# KiCad board sizif128.kicad_pcb (continued)
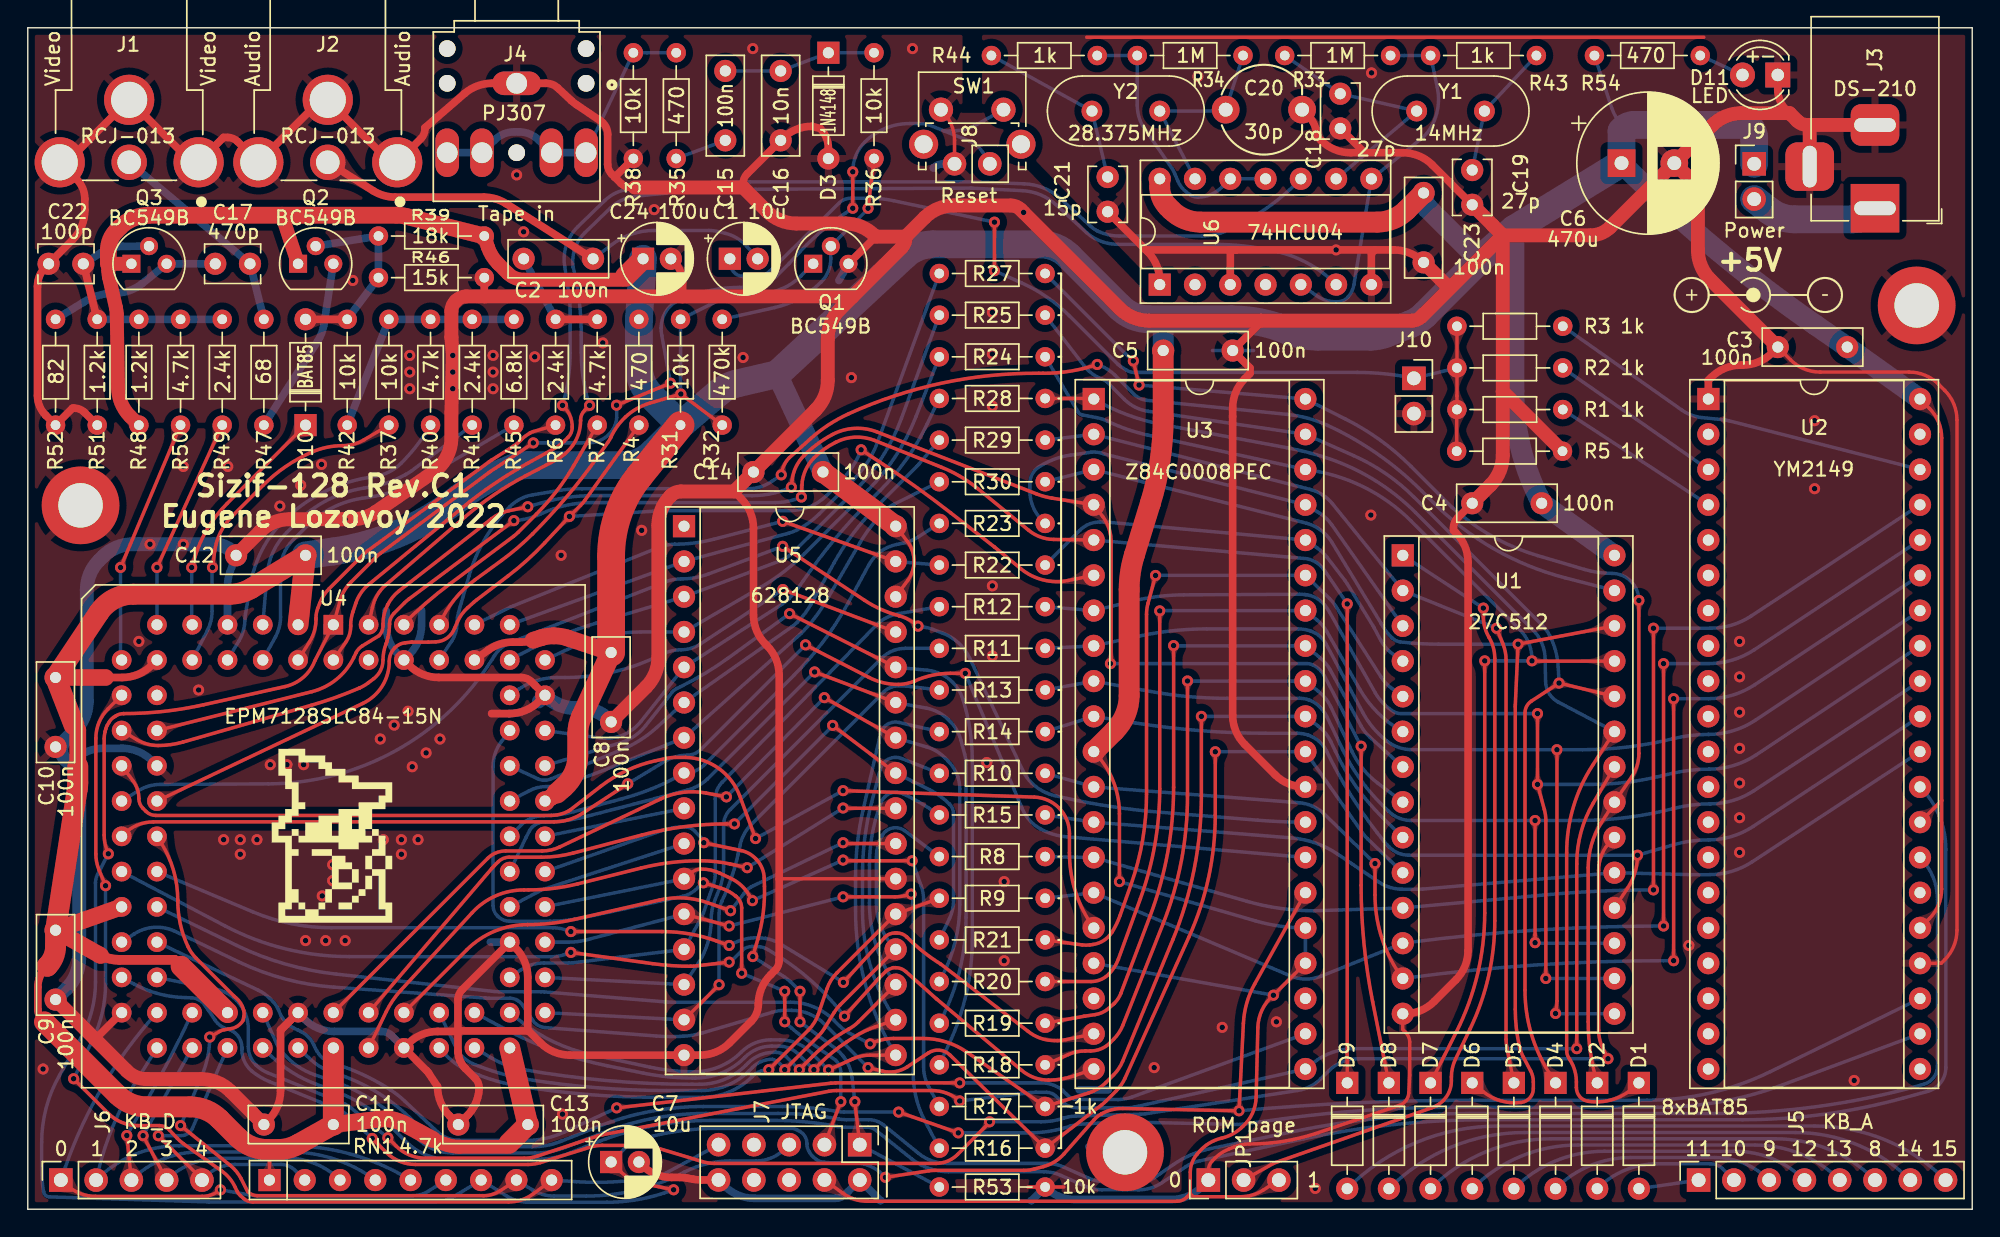
[diagram p0: board, top side]
## Copper pours and planes (outline as drawn; the poured copper is in the pictures) (continued)
Net-(R3-Pad1) on Bottom: 133.89,53.75 134.18,53.67 134.41,53.59 134.61,53.51 134.78,53.43 134.93,53.34 135.07,53.23 135.21,53.12 135.36,52.99 135.53,52.84 135.72,52.67 136.63,53.18 136.08,54.06 135.83,54.01 135.61,53.96 135.41,53.92 135.23,53.88 135.06,53.86 134.88,53.85 134.69,53.86 134.48,53.88 134.24,53.93 133.96,53.99
Net-(R3-Pad1) on Bottom: 111.73,62.9 111.6,63 111.5,63.1 111.43,63.19 111.38,63.28 111.34,63.38 111.31,63.47 111.28,63.58 111.25,63.69 111.2,63.81 111.13,63.94 110.23,63.8 110.41,62.91 110.55,62.89 110.68,62.89 110.8,62.89 110.9,62.9 111.01,62.9 111.11,62.9 111.21,62.88 111.32,62.84 111.45,62.78 111.58,62.7
Net-(R3-Pad1) on Bottom: 112.3,62.5 112.09,62.65 111.93,62.79 111.79,62.91 111.68,63.03 111.58,63.15 111.5,63.28 111.42,63.42 111.33,63.57 111.24,63.74 111.13,63.94 110.23,63.8 110.41,62.91 110.63,62.87 110.82,62.85 111,62.82 111.15,62.79 111.3,62.75 111.44,62.7 111.6,62.64 111.76,62.55 111.95,62.44 112.16,62.29
Net-(R33-Pad2) on Bottom: 101.41,81.77 101.38,81.93 101.38,82.06 101.39,82.18 101.41,82.28 101.45,82.38 101.49,82.47 101.54,82.57 101.59,82.67 101.64,82.79 101.68,82.93 100.93,83.44 100.45,82.67 100.54,82.56 100.63,82.47 100.72,82.39 100.8,82.32 100.88,82.26 100.95,82.18 101.02,82.1 101.07,82 101.12,81.87 101.16,81.71
Net-(R33-Pad2) on Bottom: 100.22,83.22 99.96,83.23 99.75,83.24 99.56,83.27 99.4,83.3 99.25,83.34 99.11,83.4 98.96,83.46 98.81,83.54 98.63,83.63 98.43,83.73 97.77,83.1 98.43,82.47 98.63,82.57 98.81,82.66 98.96,82.74 99.11,82.8 99.25,82.86 99.4,82.9 99.56,82.93 99.75,82.96 99.96,82.97 100.22,82.97
Net-(R33-Pad2) on Bottom: 98.52,75.82 98.29,75.64 98.09,75.5 97.91,75.39 97.74,75.3 97.57,75.24 97.41,75.19 97.23,75.14 97.04,75.1 96.81,75.06 96.56,75 96.43,73.97 97.46,73.88 97.57,74.11 97.66,74.32 97.75,74.5 97.83,74.67 97.91,74.82 98.01,74.96 98.13,75.11 98.27,75.27 98.46,75.43 98.68,75.62
Net-(R33-Pad2) on Bottom: 101.55,81.08 101.5,81.33 101.47,81.55 101.46,81.73 101.46,81.9 101.47,82.05 101.49,82.2 101.53,82.35 101.57,82.52 101.62,82.71 101.68,82.93 100.93,83.44 100.45,82.67 100.59,82.49 100.71,82.34 100.82,82.2 100.91,82.08 100.99,81.95 101.07,81.81 101.13,81.66 101.19,81.49 101.25,81.28 101.31,81.03
Net-(R33-Pad2) on Bottom: 98.9,82.97 99.16,82.97 99.37,82.96 99.56,82.93 99.72,82.9 99.87,82.86 100.01,82.8 100.16,82.74 100.31,82.66 100.49,82.57 100.69,82.47 101.35,83.1 100.69,83.73 100.49,83.63 100.31,83.54 100.16,83.46 100.01,83.4 99.87,83.34 99.72,83.3 99.56,83.27 99.37,83.24 99.16,83.23 98.9,83.22
Net-(R33-Pad2) on Bottom: 94.28,65.49 93.94,65.49 93.66,65.54 93.42,65.62 93.23,65.73 93.06,65.87 92.91,66.04 92.77,66.24 92.64,66.47 92.36,66.99 91.33,66.83 91.69,65.8 92.01,65.79 92.28,65.75 92.51,65.69 92.72,65.61 92.93,65.52 93.13,65.43 93.36,65.35 93.62,65.28 93.92,65.24 94.28,65.24
Net-(R33-Pad2) on Bottom: 93.53,65.58 93.29,65.67 93.11,65.76 92.96,65.87 92.85,65.99 92.76,66.12 92.69,66.26 92.62,66.42 92.55,66.6 92.46,66.78 92.36,66.99 91.33,66.83 91.53,65.81 91.77,65.77 91.97,65.73 92.15,65.7 92.31,65.67 92.46,65.63 92.61,65.59 92.78,65.54 92.97,65.49 93.19,65.42 93.45,65.35
Net-(R33-Pad2) on Bottom: 96.47,71.84 96.53,72.13 96.58,72.37 96.65,72.57 96.72,72.75 96.8,72.91 96.89,73.06 96.99,73.21 97.11,73.37 97.24,73.55 97.39,73.76 96.81,74.61 95.97,73.99 96.05,73.74 96.12,73.53 96.18,73.34 96.23,73.16 96.26,72.99 96.29,72.82 96.3,72.63 96.29,72.42 96.27,72.17 96.23,71.88
Net-(R33-Pad2) on Bottom: 97.9,75.31 97.75,75.2 97.61,75.13 97.49,75.08 97.37,75.06 97.25,75.05 97.13,75.05 97.01,75.05 96.87,75.04 96.73,75.03 96.56,75 96.43,73.97 97.46,73.88 97.53,74.03 97.57,74.18 97.6,74.31 97.63,74.43 97.66,74.54 97.69,74.65 97.74,74.76 97.81,74.88 97.92,74.99 98.06,75.12
Net-(R33-Pad2) on Bottom: 99.61,82.97 99.77,82.97 99.91,82.94 100.02,82.91 100.11,82.86 100.2,82.81 100.28,82.75 100.37,82.68 100.46,82.61 100.57,82.54 100.69,82.47 101.35,83.1 100.69,83.73 100.57,83.66 100.46,83.59 100.37,83.52 100.28,83.45 100.2,83.39 100.11,83.34 100.02,83.29 99.91,83.26 99.77,83.23 99.61,83.22
Net-(R33-Pad2) on Bottom: 99.52,83.22 99.36,83.23 99.22,83.26 99.11,83.29 99.01,83.34 98.93,83.39 98.84,83.45 98.76,83.52 98.66,83.59 98.56,83.66 98.43,83.73 97.77,83.1 98.43,82.47 98.56,82.54 98.66,82.61 98.76,82.68 98.84,82.75 98.93,82.81 99.01,82.86 99.11,82.91 99.22,82.94 99.36,82.97 99.52,82.97
Net-(R33-Pad2) on Bottom: 96.6,72.63 96.64,72.81 96.7,72.96 96.76,73.08 96.83,73.18 96.91,73.26 97,73.34 97.09,73.42 97.19,73.52 97.29,73.63 97.39,73.76 96.81,74.61 95.97,73.99 96.03,73.83 96.09,73.7 96.15,73.58 96.21,73.47 96.27,73.37 96.32,73.26 96.36,73.15 96.38,73.01 96.38,72.86 96.36,72.67
Net-(R34-Pad2) on Bottom: 84.6,72.8 84.89,72.85 85.14,72.91 85.35,72.98 85.53,73.05 85.69,73.12 85.85,73.19 86.02,73.26 86.21,73.33 86.43,73.38 86.69,73.43 86.86,74.5 85.82,74.48 85.75,74.25 85.68,74.04 85.61,73.85 85.53,73.67 85.44,73.52 85.34,73.38 85.2,73.27 85.03,73.17 84.82,73.1 84.56,73.05
Net-(R34-Pad2) on Bottom: 77.79,82.97 78.05,82.97 78.26,82.96 78.45,82.93 78.61,82.9 78.76,82.86 78.9,82.8 79.04,82.74 79.2,82.66 79.37,82.57 79.57,82.47 80.23,83.1 79.57,83.73 79.37,83.63 79.2,83.54 79.04,83.46 78.9,83.4 78.76,83.34 78.61,83.3 78.45,83.27 78.26,83.24 78.05,83.23 77.79,83.22
Net-(R34-Pad2) on Bottom: 80,81.01 80.01,81.27 80.02,81.48 80.05,81.67 80.08,81.83 80.12,81.98 80.18,82.12 80.24,82.26 80.32,82.42 80.41,82.59 80.51,82.79 79.88,83.45 79.25,82.79 79.35,82.59 79.44,82.42 79.52,82.26 79.58,82.12 79.64,81.98 79.68,81.83 79.71,81.67 79.74,81.48 79.75,81.27 79.75,81.01
Net-(R34-Pad2) on Bottom: 78.39,83.22 78.23,83.23 78.09,83.26 77.98,83.29 77.89,83.34 77.8,83.39 77.72,83.45 77.63,83.52 77.54,83.59 77.43,83.66 77.31,83.73 76.65,83.1 77.31,82.47 77.43,82.54 77.54,82.61 77.63,82.68 77.72,82.75 77.8,82.81 77.89,82.86 77.98,82.91 78.09,82.94 78.23,82.97 78.39,82.97
Net-(R34-Pad2) on Bottom: 79.09,83.22 78.83,83.23 78.62,83.24 78.43,83.27 78.27,83.3 78.12,83.34 77.98,83.4 77.84,83.46 77.68,83.54 77.51,83.63 77.31,83.73 76.65,83.1 77.31,82.47 77.51,82.57 77.68,82.66 77.84,82.74 77.98,82.8 78.12,82.86 78.27,82.9 78.43,82.93 78.62,82.96 78.83,82.97 79.09,82.97
Net-(R34-Pad2) on Bottom: 85.4,73.05 85.58,73.14 85.74,73.2 85.89,73.25 86.02,73.28 86.14,73.3 86.38,73.34 86.52,73.37 86.67,73.41 86.84,73.46 86.86,74.5 85.82,74.48 85.78,74.32 85.75,74.17 85.74,74.03 85.72,73.9 85.7,73.78 85.68,73.67 85.63,73.56 85.55,73.46 85.44,73.36 85.28,73.27
Net-(R34-Pad2) on Bottom: 86.73,74.09 87.02,74.09 87.27,74.07 87.48,74.04 87.66,74 87.83,73.95 87.99,73.89 88.16,73.81 88.34,73.72 88.54,73.62 88.77,73.5 89.52,74.22 88.77,74.94 88.54,74.82 88.34,74.72 88.16,74.63 87.99,74.55 87.83,74.49 87.66,74.44 87.48,74.4 87.27,74.37 87.02,74.35 86.73,74.34
Net-(R34-Pad2) on Bottom: 78.49,82.97 78.65,82.97 78.79,82.94 78.9,82.91 78.99,82.86 79.08,82.81 79.16,82.75 79.25,82.68 79.34,82.61 79.45,82.54 79.57,82.47 80.23,83.1 79.57,83.73 79.45,83.66 79.34,83.59 79.25,83.52 79.16,83.45 79.08,83.39 78.99,83.34 78.9,83.29 78.79,83.26 78.65,83.23 78.49,83.22
Net-(R34-Pad2) on Bottom: 80,81.71 80.01,81.87 80.04,82.01 80.07,82.12 80.12,82.21 80.17,82.3 80.23,82.38 80.3,82.47 80.37,82.56 80.44,82.67 80.51,82.79 79.88,83.45 79.25,82.79 79.32,82.67 79.39,82.56 79.46,82.47 79.53,82.38 79.59,82.3 79.64,82.21 79.69,82.12 79.72,82.01 79.75,81.87 79.75,81.71
Net-(R34-Pad2) on Bottom: 88.97,74.34 88.68,74.35 88.43,74.37 88.22,74.4 88.04,74.44 87.87,74.49 87.71,74.55 87.54,74.63 87.36,74.72 87.16,74.82 86.93,74.94 86.18,74.22 86.93,73.5 87.16,73.62 87.36,73.72 87.54,73.81 87.71,73.89 87.87,73.95 88.04,74 88.22,74.04 88.43,74.07 88.68,74.09 88.97,74.09
Net-(R37-Pad2) on Bottom: 32.91,63.82 33.16,63.82 33.38,63.82 33.57,63.81 33.73,63.8 33.89,63.77 34.03,63.74 34.18,63.69 34.33,63.63 34.5,63.56 34.69,63.47 35.35,64.1 34.69,64.73 34.5,64.64 34.33,64.57 34.18,64.51 34.03,64.46 33.89,64.43 33.73,64.4 33.57,64.39 33.38,64.38 33.16,64.38 32.91,64.38
Net-(R37-Pad2) on Bottom: 33.61,63.82 33.77,63.82 33.9,63.81 34.01,63.79 34.11,63.76 34.21,63.73 34.29,63.68 34.38,63.64 34.47,63.59 34.58,63.53 34.69,63.47 35.35,64.1 34.69,64.73 34.58,64.67 34.47,64.61 34.38,64.56 34.29,64.52 34.21,64.47 34.11,64.44 34.01,64.41 33.9,64.39 33.77,64.38 33.61,64.38
Net-(R37-Pad2) on Bottom: 28.09,64.38 27.84,64.38 27.62,64.38 27.43,64.39 27.27,64.4 27.11,64.43 26.97,64.46 26.82,64.51 26.67,64.57 26.5,64.64 26.31,64.73 25.65,64.1 26.31,63.47 26.5,63.56 26.67,63.63 26.82,63.69 26.97,63.74 27.11,63.77 27.27,63.8 27.43,63.81 27.62,63.82 27.84,63.82 28.09,63.82
Net-(R37-Pad2) on Bottom: 23.25,57.87 23.19,57.73 23.13,57.61 23.07,57.51 23.01,57.43 22.94,57.36 22.87,57.29 22.8,57.23 22.72,57.16 22.63,57.08 22.53,56.99 22.87,56.15 23.7,56.53 23.69,56.67 23.67,56.78 23.66,56.89 23.65,56.99 23.64,57.08 23.64,57.18 23.65,57.28 23.67,57.4 23.71,57.52 23.77,57.67
Net-(R37-Pad2) on Bottom: 25.75,62.71 25.81,62.85 25.87,62.97 25.93,63.07 25.99,63.15 26.06,63.22 26.13,63.29 26.2,63.35 26.28,63.42 26.37,63.5 26.47,63.59 26.13,64.43 25.3,64.05 25.31,63.91 25.33,63.8 25.34,63.69 25.35,63.59 25.36,63.5 25.36,63.4 25.35,63.3 25.33,63.18 25.29,63.06 25.23,62.91
Net-(R37-Pad2) on Bottom: 25.49,62.05 25.58,62.29 25.67,62.49 25.74,62.66 25.82,62.81 25.9,62.94 25.98,63.07 26.08,63.19 26.19,63.31 26.32,63.44 26.47,63.59 26.13,64.43 25.3,64.05 25.32,63.84 25.32,63.65 25.32,63.49 25.31,63.33 25.29,63.18 25.25,63.03 25.21,62.87 25.15,62.69 25.07,62.49 24.98,62.26
Net-(R37-Pad2) on Bottom: 27.39,64.38 27.23,64.38 27.1,64.39 26.99,64.41 26.89,64.44 26.79,64.47 26.71,64.52 26.62,64.56 26.53,64.61 26.42,64.67 26.31,64.73 25.65,64.1 26.31,63.47 26.42,63.53 26.53,63.59 26.62,63.64 26.71,63.68 26.79,63.73 26.89,63.76 26.99,63.79 27.1,63.81 27.23,63.82 27.39,63.82
Net-(R37-Pad2) on Bottom: 23.51,58.53 23.42,58.29 23.33,58.09 23.26,57.92 23.18,57.77 23.1,57.64 23.02,57.51 22.92,57.39 22.81,57.27 22.68,57.14 22.53,56.99 22.87,56.15 23.7,56.53 23.68,56.74 23.68,56.93 23.68,57.09 23.69,57.25 23.71,57.4 23.75,57.55 23.79,57.71 23.85,57.89 23.93,58.09 24.02,58.32

Small or netless copper shapes (teardrops, artwork), in the pictures only: 26 on Top, 15 on Bottom

## Text on the board
F.Fab: 22x 1k | 8x BAT85 | Layers: 2 / Dimensions: 85.1x140mm / Thickness: 1.6mm | Min clearance: 0.2mm / Min track: 0.25mm / Min hole: 0.4mm / Min annular ring: 0.2mm
F.Silkscreen: 8xBAT85 | Sizif-128 Rev.C1 | Eugene Lozovoy 2022 | +5V
